# Altium PCB DM2097_R0M0E0.PcbDoc (part 3 of 7) (continued)
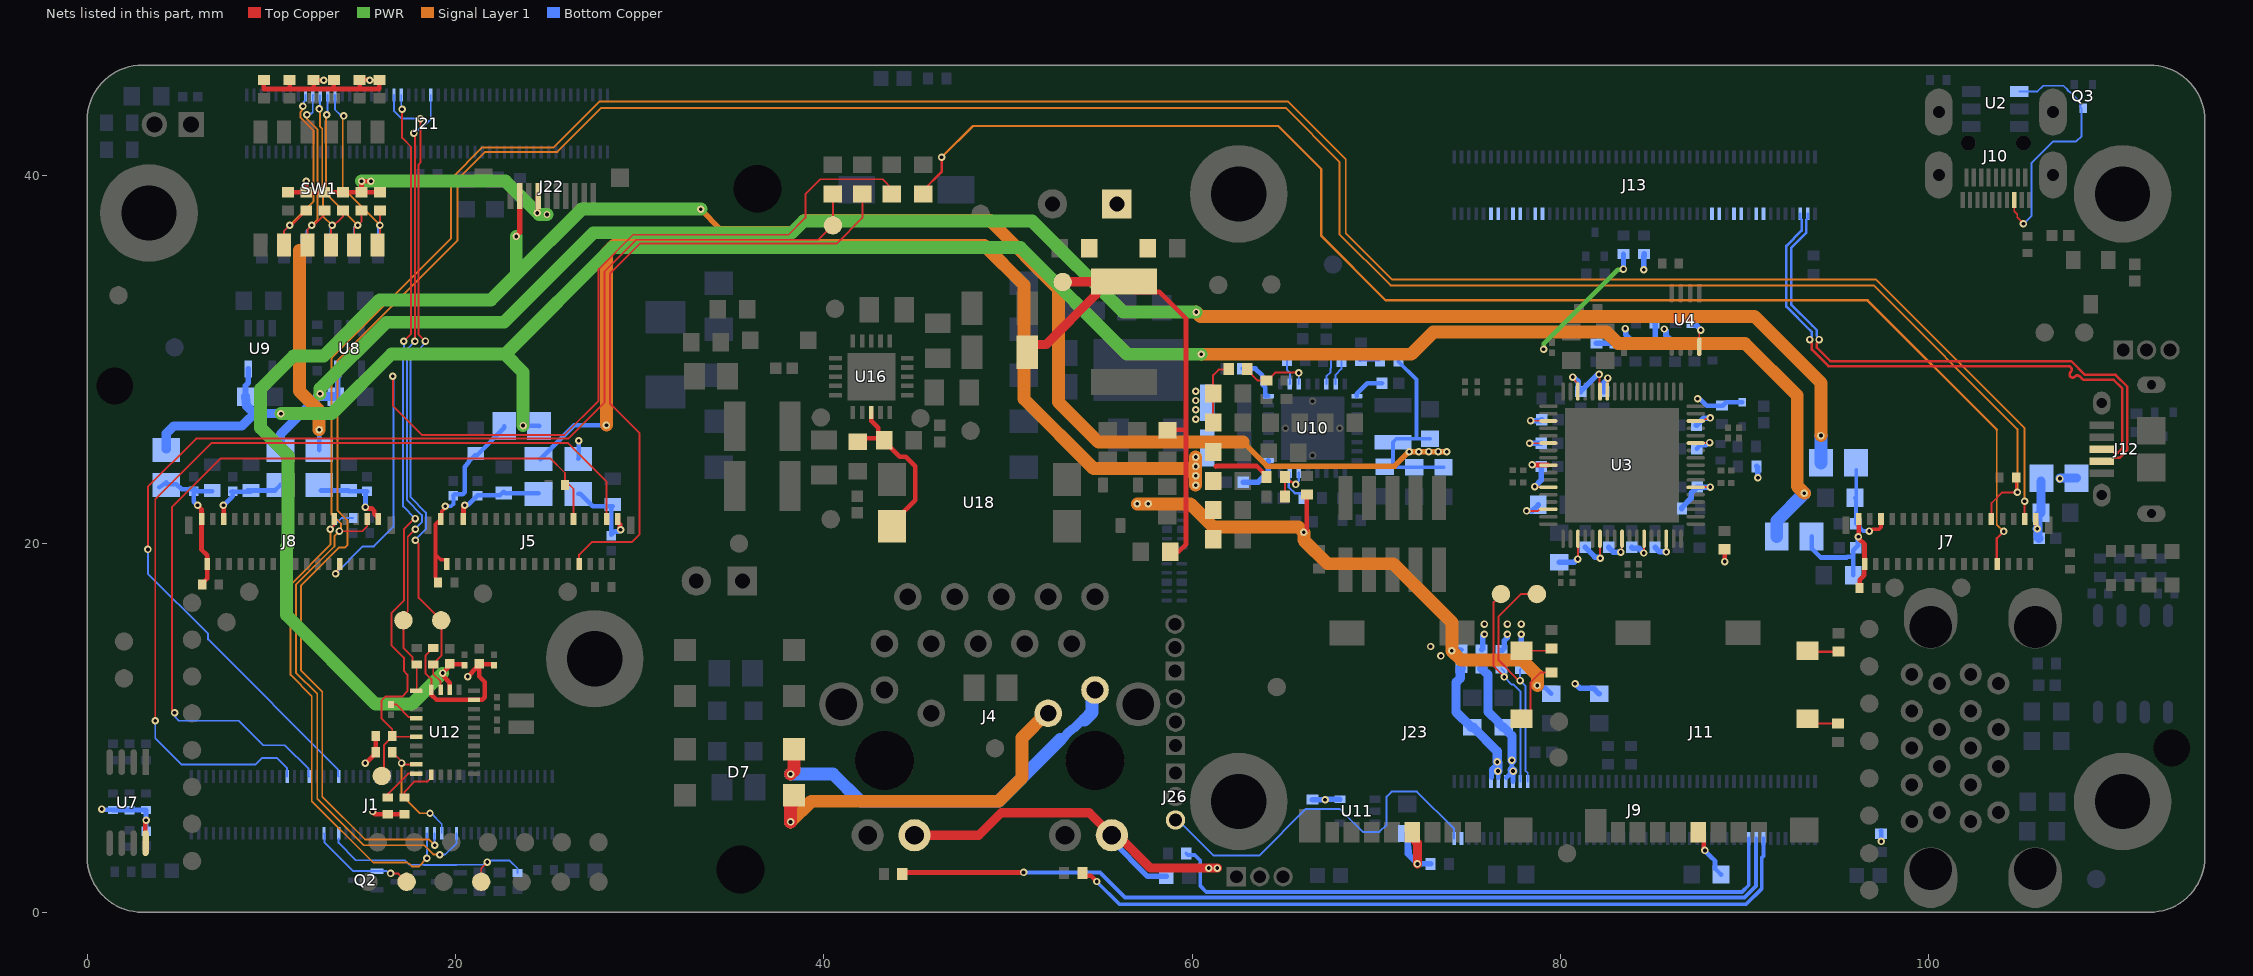
[diagram p7: the nets of this part, all layers, seen from the top]
## Part data (continued)
Y1: "CRYSTAL 32.768kHz ±20ppm Crystal 12.5pF 90 kOhms 2-SMD, No Lead", Case/Package=SMD/SMT, ESR (Equivalent Series Resistance)=90kR, Frequency=32.768kHz, Frequency Tolerance=20ppm, Load Capacitance=12.5pF, Manufacturer 1=Abracon, Max Operating Temperature=85°C, Min Operating Temperature=-40°C, Supplier Part Number 1=535-14513-1-ND, ComponentLink1Description=http://www.farnell.com/datasheets/2614114.pdf?src-supplier=Farnell, ComponentLink1URL=http://www.farnell.com/datasheets/2614114.pdf?src-supplier=Farnell, ComponentLink2Description=https://abracon.com/datasheets/ABS06-127-32.768kHz-T.pdf?src-supplier=Digi-Key, ComponentLink2URL=https://abracon.com/datasheets/ABS06-127-32.768kHz-T.pdf?src-supplier=Digi-Key, ComponentLink3Description=http://www.farnell.com/datasheets/2614114.pdf?src-supplier=Newark, ComponentLink3URL=http://www.farnell.com/datasheets/2614114.pdf?src-supplier=Newark, Manufacturer Part Number 1=ABS06-127-32.768KHZ-T, Mount="Surface Mount", Packaging="Tape and Reel", Pricing 1="1=0.69000, 10=0.60700, 50=0.56760, 100=0.50160, 500=0.47520, 1000=0.39600 (USD)", RoHS=Yes, Stock 1=1640, Supplier 1=Digi-Key, Supplier 2=Digi-Key, Supplier 3=Mouser, Supplier 4=Verical, Supplier Part Number 2=535-14513-6-ND, Supplier Part Number 3=815-ABS0612732.768KT, Supplier Part Number 4=ABS06-127-32.768KHZ-T

## Free pads (board coordinates)
  round 1.524 hole 2.6: 0(35.48,2.33) 0(36.412,39.288)
  round 0 hole 2 unplated: 2(1.504,28.578) 2(113.202,8.923)

## Via types
v1: diameter 0.406, hole 0.203, Top Copper to Bottom Copper, tented both sides, 871 vias
v2: diameter 0.5, hole 0.2, Top Copper to Bottom Copper, 25 vias
v3: diameter 0.508, hole 0.254, Top Copper to Bottom Copper, 24 vias

## Nets (pads, with @x,y where several pads share a name; then routed paths per layer and width w, separated by ;. In a path a pad name is that pad's centre, name@x,y a point inside that pad or via, vN(x,y) a via of type N, cw(c..) or ccw(c..) an arc to the next point about the centre after c; other vN are vias at no path point)
1V2: C39.2 FB8.1 FB9.1 U8.5 | length 100
  PWR w0.7: v1(12.65,28.15) 12.65,28.435 16.253,32.038 22.638,32.038 27.5,36.9 38.275,36.9 38.9,37.525 39.136,37.525 39.14,37.529 39.683,37.529 39.687,37.525 51.324,37.525 56.261,32.589 v1(60.223,32.589)
  Signal Layer 1 w0.7: v1(60.223,32.589) 60.452,32.359 90.541,32.359 94.152,28.748 v1(94.152,25.881)
  Bottom Copper w0.3: C39.2@13.5,28 13.6,28.1 U8.5@13.6,29.5
  Bottom Copper w0.5: FB9.1@10.5,25.1 10.5,25.948 12.508,27.956 12.508,28.008 v1(12.65,28.15) ; v1@12.552,28 C39.2@13.5,28
  Bottom Copper w0.7: FB8.1@94.15,24.4 94.15,25.88 v1(94.152,25.881)
1V2_L: C29.2 C31.2 FB8.2 J7.29 | length 5
  Top Copper w0.2: v1(96.775,20.7) 96.831,20.7 96.931,20.8 97.3,20.8 97.412,20.912 J7.29@97.412,21.366
  Bottom Copper w0.2: FB8.2@96.06,24.03 96.06,22.56 C31.2@96,22.5 96.05,22.45 C29.2@96.05,21.1 96.45,20.7 v1(96.775,20.7)
1V2_R: C36.2 C37.2 FB9.2 J8.29 | length 4.6
  Top Copper w0.254: J8.29@7.412,21.366 v1@7.412,22.088
  Bottom Copper w0.254: v1(7.4,22.1) 7.412,22.1 7.9,22.588 C36.2@7.9,22.833 ; C36.2@7.833,22.833 C36.2@7.9,22.833 ; C36.2@7.9,22.85 C36.2@7.9,22.833 ; C37.2@8.699,22.9 10.2,22.9 FB9.2@10.5,23.2 ; C37.2@8.871,22.833 C36.2@7.9,22.833
1V05: C58.2 C59.2 C60.2 C61.2 C62.2 C63.2 C64.2 C95.1 C96.1 C97.1 C98.1 FB3.1 L5.2 R88.2 U3.3 U3.9 U3.12 U3.29 U3.45 U3.54 U3.60 U3.63 | length 72.2
  Top Copper w0.102: v1(78.384,26.695) 78.394,26.686 79.341,26.686 U3.54@79.351,26.676 ; v1(78.613,23.114) 78.632,23.095 79.332,23.095 U3.63@79.351,23.076 ; v1(80.95,19.177) U3.3@80.95,20.276 ; U3.45@82.551,28.276 82.559,28.285 82.559,28.996 v1(82.568,29.005) ; v1(83.287,19.558) 83.332,19.603 83.332,20.257 U3.9@83.351,20.276 ; v1(84.526,19.507) 84.538,19.519 84.538,20.264 U3.12@84.551,20.276 ; U3.29@87.351,25.476 87.363,25.489 88.092,25.489 v1(88.105,25.501)
  Top Copper w0.254: 61.29,24.206 61.316,24.232 63.506,24.232 64.05,23.687 R88.2@64.05,23.637 ; v1(78.467,24.293) 78.475,24.284 79.342,24.284 U3.60@79.351,24.276
  Signal Layer 1 w0.7: v1(28.2,26.45) 28.2,35.806 28.61,36.216 48.719,36.216 50.875,34.06 50.875,27.875 54.662,24.088 59.808,24.088 v1(60.198,23.698) ; v1(60.198,23.19) v1(60.198,23.698) ; v1(60.198,24.714) v1(60.198,24.206) v1(60.198,23.698)
  Bottom Copper w0.254: FB3.1@24.6,24.607 26.443,26.45 v1(28.2,26.45) ; C64.2@87.401,25.176 87.584,25.359 87.922,25.359 88.064,25.501 v1(88.105,25.501)
  Bottom Copper w0.3: v1(78.384,26.695) 78.932,26.695 C63.2@78.983,26.746 ; v1(78.613,23.114) 78.958,23.459 C61.2@78.958,24.206 ; C58.2@79.934,19.012 80.744,19.012 80.909,19.177 v1(80.95,19.177) ; C59.2@82.352,28.276 82.352,28.739 82.568,28.955 v1(82.568,29.005) ; C60.2@82.626,19.812 82.88,19.558 v1(83.287,19.558) ; C62.2@83.871,19.812 83.924,19.759 84.275,19.759 v1(84.526,19.507)
1V05_IMX378: C12.2 C13.2 FB3.2 J5.29 | length 5.1
  Top Copper w0.254: J5.29@20.412,21.366 20.435,21.389 20.435,21.994 20.5,22.059 v1(20.5,22.1)
  Bottom Copper w0.254: v1(20.5,22.1) 20.529,22.129 20.689,22.129 21.2,22.64 22.42,22.64 22.62,22.84 22.7,22.76 FB3.2@24.51,22.76
1V8: C100.1 C101.1 C105.2 C106.2 C120.2 FB2.1 FB6.1 FB7.1 J22.7 L6.2 R9.2 R22.2 R27.2 R34.2 R58.2 R63.1 R69.2 R70.2 R71.2 R72.2 R73.2 R80.2 R82.2 R84.1 R90.2 R96.1 R113.1 R114.1 R115.1 R116.1 R117.1 R118.1 R128.2 R129.2 R130.2 U7.8 U12.5 U12.28 | length 101.2
  Top Copper w0.102: U12.5@18.695,12.091 18.695,12.662 18.371,12.986 18.371,13.922 R34.2@18.799,14.35 ; C100.1@61.145,26.594 C101.1@61.145,28.169 61.145,29.167 61.443,29.464 61.97,29.464 R90.2@61.995,29.489
  Top Copper w0.25: U7.8@3.175,3.75 3.167,3.758 3.167,4.925 3.2,4.958 v1(3.2,5) ; R58.2@9.596,45.2 9.596,44.702 12.3,44.702 ; R118.1@10.9,39.1 R113.1@11.9,39.1 ; 11,44.702 R69.2@11,45.2 ; v1(11.9,39.7) R113.1@11.9,39.1 ; R70.2@12.3,45.2 12.3,44.702 ; R70.2@12.363,45.187 12.838,45.187 v1(12.85,45.175) ; 13.4,44.702 R71.2@13.4,45.2 ; 14.8,44.702 R72.2@14.8,45.2 15.325,45.2 v1(15.35,45.175) ; v1(15.1,8.1) 15.13,8.1 15.67,8.64 R82.2@15.67,8.69 R80.2@15.67,9.57 ; v1(15.41,39.7) v1(14.9,39.7) R115.1@14.9,39.1 ; v1(15.5,5.47) 15.5,5.45 15.625,5.325 R84.1@16.325,5.325 R96.1@17.225,5.325 ; R73.2@15.87,45.2 15.87,44.702 12.3,44.702 ; R117.1@15.9,39.1 R115.1@14.9,39.1 ; U12.5@18.695,11.803 18.97,11.528 U12.28@21.008,11.528 21.454,11.528 21.6,11.675 21.6,12.5 21.3,12.8 C105.2@21.3,13.5 ; U12.5@18.695,12.028 U12.5@18.695,12.091 ; v1(20.666,12.795) 21.165,13.294 21.165,13.365 C105.2@21.3,13.5 ; C106.2@22.1,13.425 22.065,13.46 21.34,13.46 C105.2@21.3,13.5 ; R113.1@11.9,39.1 R116.1@12.9,39.1 R114.1@13.9,39.1 R115.1@14.9,39.1
  Top Copper w0.255: v1(24.45,37.975) 24.469,37.994 24.469,38.876 J22.7@24.489,38.896 ; v1(66.073,20.628) 66.226,20.781 66.226,22.676 R22.2@66.231,22.682
  PWR w0.255: v1(79.089,30.576) 79.104,30.591 79.104,30.879 83.121,34.896 83.396,34.896 v1(83.425,34.925)
  PWR w0.7: v1(14.9,39.7) v1(15.41,39.7) 22.725,39.7 24.537,37.888 v1(24.972,37.888)
  Signal Layer 1 w0.7: 11.525,35.947 11.525,28.301 12.6,27.226 v1(12.6,26.2) ; v1(57.025,22.175) v1(57.625,22.175) 59.9,22.175 61.15,20.925 65.776,20.925 v1(66.073,20.628) 66.073,20.202 67.35,18.925 70.925,18.925 74.108,15.742 v1(74.108,14.192) 74.6,13.7 77.925,13.7 78.751,12.874 v1(78.751,12.312)
  Bottom Copper w0.25: v1(0.8,5.6) 0.825,5.575 1.375,5.575 R130.2@1.4,5.55 R129.2@2.285,5.55 ; R129.2@2.299,5.55 R128.2@3.2,5.55 v1(3.2,5) 3.198,4.998 3.198,4.684 ; FB2.1@26.675,24.617 26.7,24.642 v1(26.7,25.6)
  Bottom Copper w0.254: FB7.1@12.6,25.1 v1(12.6,26.2) ; v1(74.108,14.192) 74.108,14.282 74.532,14.282 74.592,14.222 R63.1@74.63,14.26 ; v1(78.751,12.312) 78.792,12.312 78.919,12.185 79.176,12.185 R9.2@79.499,11.862
  Bottom Copper w0.255: v1(83.425,34.925) 83.432,34.932 R27.2@83.432,35.75
  Bottom Copper w0.38: v1(78.751,12.312) v1@78.756,12.307
  Bottom Copper w0.5: v1(107.127,23.552) 107.15,23.575 FB6.1@108.025,23.575
  other v1: 60.198,26.772 60.198,27.28 60.198,27.788 60.198,28.296
1V8_IMX378: C14.2 C15.2 FB2.2 J5.1 | length 5
  Top Copper w0.254: J5.1@28.812,21.366 28.835,21.343 28.835,21.168 28.937,21.066 28.937,20.803 v1(28.966,20.774)
  Bottom Copper w0.254: FB2.2@26.675,22.717 26.775,22.717 27.452,22.04 28.54,22.04 28.47,21.97 28.47,20.49 28.653,20.673 28.866,20.673 v1(28.966,20.774)
1V8_L: C32.2 C33.2 FB6.2 J7.1 | length 3.8
  Top Copper w0.2: J7.1@105.812,21.366 105.861,21.317 105.861,20.864 v1(105.9,20.825)
  Bottom Copper w0.5: C32.2@106,20.3 105.94,20.36 105.94,20.785 v1(105.9,20.825) 105.932,20.857 105.932,21.532 C33.2@106.1,21.7 FB6.2@106.1,23.402
1V8_R: C38.2 C40.2 FB7.2 J8.1 | length 4.4
  Top Copper w0.254: v1(15.114,22) 15.107,21.993 15.181,21.919 15.457,21.919 15.476,21.9 15.5,21.9 15.5,21.876 15.591,21.785 15.591,21.633 15.835,21.389 J8.1@15.812,21.366
  Bottom Copper w0.254: FB7.2@12.7,22.9 C40.2@14.2,22.9 ; C40.2@14.2,22.867 C38.2@15.114,22.867 ; v1(15.114,22) 15.114,22.764 C38.2@15.2,22.85
2V8: C42.2 FB1.1 FB4.1 FB5.1 U9.5 | length 114.2
  PWR w0.7: v1(10.525,27.075) 13.28,27.075 16.523,30.318 22.718,30.318 ; v1(23.675,26.425) 23.675,29.325 22.7,30.3 28.498,36.098 50.679,36.098 56.477,30.3 v1(60.5,30.3)
  Signal Layer 1 w0.7: v1(60.5,30.3) 71.9,30.3 73.1,31.5 82.525,31.5 83.139,30.886 90.034,30.886 92.866,28.054 92.866,23.134 v1(93.25,22.75)
  Bottom Copper w0.254: v1(23.675,26.425) 24.525,26.425 FB1.1@24.55,26.4
  Bottom Copper w0.3: C42.2@8.6,28 8.6,28.6 8.75,28.75 U9.5@8.75,29.5
  Bottom Copper w0.5: FB5.1@4.3,25.15 4.3,26 4.7,26.4 8.4,26.4 8.6,26.6 9.075,27.075 ; C42.2@8.6,28 8.659,27.491 9.075,27.075 ; v1(10.525,27.075) 9.075,27.075
  Bottom Copper w0.7: FB4.1@91.75,20.4 91.75,21.25 v1(93.25,22.75)
2V8_IMX378: C16.2 C17.2 FB1.2 J5.32 J5.33 R28.1 | length 11.5
  Top Copper w0.203: R28.1@19.05,17.9 18.927,18.023 18.927,18.181 18.915,18.192 18.915,19.44 ; v1(19.45,22.05) 19.411,22.011 19.411,21.925 19.261,21.775 19.261,21.414 18.915,21.069 18.915,19.44 ; J5.32@19.52,18.916 19.52,19.091 19.471,19.139 19.216,19.139 19.191,19.164 19.175,19.164 18.936,19.402 18.936,19.419 18.915,19.44
  Bottom Copper w0.203: v1(19.45,22.05) 19.771,22.05 19.89,22.169 C16.2@19.89,22.62
  Bottom Copper w0.25: C16.2@19.89,22.62 19.971,22.701 20.401,22.701 20.5,22.8 20.5,24.2 20.725,24.425 20.725,24.475 21.05,24.8 21.15,24.8 22.65,26.3 FB1.2@22.65,26.4
2V8_L: C34.2 C35.2 FB4.2 J7.32 J7.33 R33.2 | length 9.2
  Top Copper w0.254: v1(96.19,20.39) 96.212,20.412 J7.33@96.212,21.366 ; v1@96.212,20.288 96.52,19.98 J7.32@96.52,18.916 96.5,18.896 96.5,18.3 96.25,18.05 R33.2@96.25,17.6
  Bottom Copper w0.254: FB4.2@93.65,20.4 93.65,19.75 94.139,19.261 95.555,19.261 95.595,19.302 95.9,19.302 ; C35.2@95.9,18.3 95.9,19.302 ; v1(96.19,20.39) 96.161,20.361 96.161,19.911 95.9,19.65 95.9,19.302
2V8_R: C44.2 C50.2 FB5.2 J8.32 J8.33 R35.2 | length 8.7
  Top Copper w0.25: v1(6,22.1) 6.212,21.888 6.212,19.688 6.52,19.38 J8.32@6.52,18.916 6.52,18.12 6.25,17.85 R35.2@6.25,17.8
  Bottom Copper w0.25: FB5.2@3.926,23.072 4.3,23.35 4.3,23.25 4.85,23.25 5.139,22.961 5.861,22.961 C44.2@6,22.823 ; C44.2@5.8,22.85 5.8,22.3 v1(6,22.1) ; C44.2@5.956,22.867 C50.2@6.8,22.867
3V3: C9.2 C20.2 C23.2 C27.2 C28.2 C30.2 C55.2 C56.2 C57.2 C83.1 C84.1 C85.1 C86.1 C87.2 C110.2 C119.2 D3.1 D17.2 J4.15 J4.17 J11.4 J22.9 J23.4 L2.2 R6.2 R7.2 R16.2 R19.2 R20.2 R24.2 R26.2 R38.2 R41.1 R46.1 R48.2 R49.2 R56.2 R57.2 R66.1 R67.2 R87.2 R97.2 R100.2 R101.2 R112.2 U3.6 U3.15 U3.23 U3.32 U3.46 U3.49 U3.57 U3.66 U4.8 U11.5 U12.3 | length 191.2
  Top Copper w0.102: v1(78.168,21.789) 78.794,21.789 78.862,21.857 79.332,21.857 U3.66@79.351,21.876 ; v1(78.328,25.467) 79.342,25.467 U3.57@79.351,25.476 ; v1(80.676,29.061) 80.676,28.992 80.819,28.849 80.819,28.834 80.951,28.703 U3.49@80.951,28.276 ; v1(82.101,29.204) 82.132,29.173 82.132,28.295 U3.46@82.151,28.276 ; U3.6@82.151,20.276 82.16,20.267 82.16,19.237 v1(82.169,19.228) ; U3.15@85.751,20.276 85.751,19.571 v1(85.757,19.564) ; U3.23@87.351,23.076 87.356,23.081 88.136,23.081 v1(88.141,23.087) ; U3.32@87.351,26.676 87.777,26.676 87.886,26.785 88.088,26.785 v1(88.146,26.844) ; U4.8@87.542,30.706 87.542,31.443 87.63,31.531 v1(87.63,31.613)
  Top Copper w0.25: v1@19.314,12.975 v1(19.314,12.989) ; U12.3@19.695,12.091 19.695,12.459 19.7,12.464 ; 19.695,12.464 19.3,12.859 19.3,12.975 19.7,13.375 C28.2@19.7,13.5 19.74,13.46 20.465,13.46 20.5,13.425 C30.2@20.5,13.42 ; J11.4@87.488,4.348 87.788,4.048 87.788,3.459 87.85,3.396 v1(87.85,3.354) ; R112.2@88.92,19.71 88.925,19.705 88.925,19.045 v1(88.93,19.04)
  Top Copper w0.3: v1(23.3,36.7) 23.3,36.729 23.489,36.917 J22.9@23.489,38.896
  Top Copper w0.5: J4.17@44.925,4.179 48.422,4.179 49.648,5.405 54.419,5.405 J4.15@55.773,4.052 ; J4.15@55.645,4.179 55.96,4.179 57.738,2.4 v1(61.375,2.4) ; J23.4@71.959,4.347 72.134,4.172 72.134,3.86 72.24,3.754 v1(72.24,2.625)
  PWR w0.7: v1@19.3,12.975 17.625,11.3 15.661,11.3 10.825,16.136 10.825,19.837 10.911,19.922 10.911,24.806 9.414,26.303 9.414,28.417 11.207,30.211 12.852,30.211 15.893,33.252 21.927,33.252 23.3,34.625 ; v1(23.3,36.7) 23.3,34.625 ; v1(33.325,38.18) 26.855,38.18 23.3,34.625
  Signal Layer 1 w0.3: v1(33.325,38.18) 33.325,38.151 34.367,37.109 38.534,37.109 38.982,37.557 ; 62.764,25.525 64.064,24.225 71.005,24.225 v1(71.79,25.01) v1(72.317,25.01) v1@73.837,25.01
  Signal Layer 1 w0.7: 38.982,37.557 49.024,37.557 52.75,33.831 52.75,27.7 54.925,25.525 62.764,25.525
  Bottom Copper w0.2: R67.2@71.214,29.947 71.214,29.897 72.184,28.926 72.184,25.705 ; C85.1@72.923,25.705 72.184,25.705 ; C84.1@73.655,24.158 71.054,24.158 70.908,24.305 L2.2@70.908,25.524 71.088,25.705 72.184,25.705
  Bottom Copper w0.25: v1(87.45,27.881) 87.48,27.851 87.602,27.851 87.943,27.51 R41.1@88.77,27.51 88.82,27.51 89,27.69 D3.1@89.87,27.69 ; v1@87.825,3.379 88.4,2.804 88.4,2.375 C119.2@88.725,2.05 ; v1(87.85,3.354) 87.85,3.334 88.249,2.935 ; R100.2@97.411,4.417 97.425,4.402 v1(97.425,3.846)
  Bottom Copper w0.3: J4.15@55.733,4.267 J4.15@55.645,4.179 55.645,3.89 57.59,1.945 D17.2@58.594,1.945 ; R101.2@66.542,6.112 66.545,6.109 67.222,6.109 v1(67.226,6.105) ; v1@67.219,6.124 68.018,6.124 U11.5@68.03,6.135 ; v1(72.24,2.625) v1@72.234,2.631 ; R16.2@72.95,2.62 72.939,2.631 v1@72.234,2.631 ; R66.1@75.72,14.25 75.78,14.31 75.78,14.976 75.875,15.071 v1(75.875,15.1) ; R57.2@76.795,14.235 76.833,14.235 76.958,14.36 76.958,14.755 77.105,14.901 77.105,15.03 v1@77.125,15.05 ; R56.2@77.86,14.22 77.875,14.235 v1(77.875,15.1) ; v1(78.168,21.789) 78.469,21.789 C9.2@78.804,22.123 ; v1(78.328,25.467) 78.949,25.467 C56.2@78.958,25.476 ; v1(80.676,29.061) 80.696,29.041 80.74,29.041 80.974,28.808 80.974,28.401 C23.2@81.099,28.276 82.027,29.204 v1(82.101,29.204) ; v1(80.798,12.403) 80.827,12.403 81.069,12.162 81.809,12.162 R7.2@82.109,11.862 ; C57.2@81.356,19.812 81.882,19.286 82.111,19.286 v1(82.169,19.228) ; R24.2@81.951,30.89 81.957,30.896 R20.2@83.007,30.896 R97.2@84.024,30.896 ; R7.2@82.109,11.869 R7.2@82.11,11.87 ; v1(83.528,31.694) 83.548,31.674 83.548,31.372 R97.2@84.024,30.896 ; v1(84.533,34.893) 84.542,34.902 84.542,35.625 84.55,35.633 R26.2@84.55,35.75 ; R48.2@85.107,32.029 85.166,31.971 R19.2@85.166,30.896 ; C27.2@85.141,19.819 85.396,19.564 v1(85.757,19.564) ; v1(85.648,31.671) 85.671,31.671 85.675,31.675 85.697,31.653 85.697,31.615 85.737,31.575 85.737,31.336 85.75,31.323 85.75,31.312 85.895,31.167 85.911,31.167 R87.2@86.182,30.896 ; R87.2@86.236,30.892 86.186,30.892 R87.2@86.182,30.896 ; R46.1@86.597,21.92 86.597,21.97 87.107,22.48 87.107,22.753 87.282,22.929 87.285,22.929 C55.2@87.445,23.089 88.139,23.089 v1(88.141,23.087) ; C110.2@87.158,32.029 87.318,31.869 87.401,31.869 87.63,31.64 v1(87.63,31.613) ; C20.2@87.394,26.441 87.776,26.823 88.126,26.823 v1(88.146,26.844) ; R49.2@88.264,30.858 87.312,30.858 R6.2@87.274,30.896 R87.2@86.182,30.896 ; R38.2@90.653,24.206 90.708,24.151 90.708,23.608 v1(90.729,23.588) ; v1@72.234,2.631 71.899,2.966 71.824,3.041 71.724,3.959 71.724,3.975 C87.2@71.69,4.275 71.69,3.175 v1@72.234,2.631 ; R97.2@84.024,30.896 R97.2@84.074,30.896 R19.2@85.166,30.896 ; R19.2@85.166,30.896 R87.2@86.182,30.896
  other v1: 60.901,2.4 73.514,13.916 72.954,14.43 77.125,15.1 75.875,15.65 77.125,15.65 77.875,15.65 72.859,25.014 73.37,25.014 73.837,25.012
5V_PoE: C26.2 C47.1 C49.2 L1.2 R14.2 R40.2 R62.1 TP23.1 | length 27.8
  Top Copper w0.254: L1.2@56.305,34.255 56.878,33.682 58.221,33.682 59.674,32.229 59.674,26.204 ; R14.2@58.665,26.176 58.693,26.204 59.674,26.204 ; R40.2@58.814,19.583 59.264,19.583 59.674,19.993 59.674,26.204
  Top Copper w0.5: C26.2@51.047,30.408 51.047,30.508 51.372,30.833 52.08,30.833 54.775,33.529 54.775,33.805 55.225,34.255 55.502,34.255 L1.2@56.305,34.255 ; TP23.1@52.978,34.218 52.997,34.236 L1.2@55.225,34.236
2485_PGOOD: J1.37 Q2.1 TP50.1 | length 5.9
  Top Copper w0.102: v1(16.475,2.105) 16.48,2.1 16.9,2.1 TP50.1@17.35,1.65
  Bottom Copper w0.102: J1.37@12.86,4.288 12.899,4.249 12.899,3.776 14.442,2.233 16.264,2.233 16.392,2.105 v1(16.475,2.105)
2485_WAKEUP: J1.41 R50.2 TP51.1 | length 12.2
  Top Copper w0.102: TP51.1@21.4,1.65 21.4,2.4 v1(21.725,2.725)
  Bottom Copper w0.102: J1.41@13.66,4.005 13.66,3.765 14.6,2.825 17.257,2.825 17.504,2.577 18.295,2.577 18.303,2.569 20.064,2.569 20.072,2.577 21.513,2.577 21.661,2.725 v1(21.725,2.725) 21.783,2.783 21.92,2.783 21.937,2.8 22.95,2.8 23.375,2.375 R50.2@23.375,2.125
BNO08x_BOOTN_1V8: J21.42 R34.1 TP4.1 U12.4 | length 35.6
  Top Copper w0.102: v1(17.828,20.2) 17.8,20.2 18.003,19.997 18.003,17.072 TP4.1@19.225,15.85 19.25,15.825 19.25,13.951 18.749,13.45 R34.1@18.799,13.45 18.799,12.927 19.195,12.53 U12.4@19.195,12.091 ; v1(18.1,43.1) 18.1,40.697 18.003,40.6 18.003,31.369 18.358,31.015 v1(18.374,31.015)
  Bottom Copper w0.102: J21.42@16.66,44.368 16.66,43.53 17.09,43.1 v1(18.1,43.1) ; v1(17.828,20.2) 17.828,20.228 18.4,20.8 18.4,21.7 17.568,22.532 17.568,30.122 18.267,30.822 18.267,30.825 18.374,30.932 v1(18.374,31.015)
BNO08x_INT_1V8: J1.69 R82.1 U12.14 | length 6.7
  Top Copper w0.102: R82.1@16.57,8.69 17.075,8.185 v1(17.075,8.1) 17.147,8.028 U12.14@17.883,8.028
  Signal Layer 1 w0.102: v1(17.075,8.1) 17.075,6.35 18.05,5.375 v1(18.619,5.375)
  Bottom Copper w0.102: v1(18.619,5.375) 18.675,5.375 19.26,4.79 J1.69@19.26,4.288
BNO08x_RSTn_1V8: J21.44 R80.1 TP48.1 U12.11 | length 41.5
  Top Copper w0.102: TP48.1@16,7.4 16.12,7.52 16.12,9.07 16.57,9.52 R80.1@16.57,9.57 ; v1(17.1,43.6) 17.1,42.05 17.597,41.553 17.597,31.4 17.2,31.003 v1(17.2,31) ; v1(17.825,21.375) 17.775,21.375 17.2,20.8 17.2,16.925 16.523,16.248 16.523,14.502 17.2,13.825 17.2,13.1 17.393,12.907 17.393,12 17.1,11.707 16.193,11.707 15.978,11.492 15.978,10.522 16.57,9.93 R80.1@16.57,9.57 ; U12.11@17.883,9.528 16.612,9.528 R80.1@16.57,9.57
  Bottom Copper w0.102: J21.44@17.06,44.368 17.06,43.64 v1(17.1,43.6) ; v1(17.2,31) 17.2,30.33 17.161,30.291 17.161,22.039 v1(17.825,21.375)
BNO08x_WAKE_1V8: J21.52 R36.1 TP58.1 U12.6 | length 34.1
  Top Copper w0.102: v1(17.744,42.3) 17.8,42.244 17.8,31 v1(17.799,30.999) ; v1(17.828,20.8) 17.414,20.386 17.414,16.332 17.175,16.093 17.175,14.359 17.676,13.858 17.676,13.624 17.85,13.45 R36.1@17.9,13.45 17.9,12.046 U12.6@17.883,12.028
  Bottom Copper w0.102: v1(17.744,42.3) 17.8,42.3 18.1,42.6 18.2,42.6 18.66,43.06 J21.52@18.66,44.368 ; v1(17.799,30.999) 17.403,30.603 17.403,30.246 17.364,30.206 17.364,22.386 18.184,21.566 18.184,21.184 17.828,20.828 v1(17.828,20.8)
BOOT0: J21.26 R86.1 R117.2 SW1.6 | length 11
  Top Copper w0.102: SW1.6@15.775,36.225 15.9,36.35 v1(15.9,37.3) R117.2@15.9,38.1
  Signal Layer 1 w0.102: v1(13.938,43.241) 13.884,43.187 13.884,39.341 15.9,37.325 v1(15.9,37.3)
  Bottom Copper w0.102: J21.26@13.46,44.368 13.46,43.577 13.738,43.299 13.88,43.299 v1(13.938,43.241) ; R86.1@15.802,36.5 15.802,37.202 v1(15.9,37.3)
BOOT1: J21.24 R85.1 R115.2 SW1.5 | length 10.9
  Top Copper w0.102: SW1.5@14.505,36.225 14.505,37.205 14.6,37.3 v1(14.7,37.3) 14.9,37.5 R115.2@14.9,38.1
  Signal Layer 1 w0.102: v1(13.009,43.305) 12.975,43.271 12.975,39.025 v1(14.7,37.3)
  Bottom Copper w0.102: v1(13.009,43.305) 13.06,43.356 J21.24@13.06,44.368 ; R85.1@14.5,36.5 14.5,37.2 14.6,37.3 v1(14.7,37.3)
BOOT2: J21.22 R79.1 R114.2 SW1.4 | length 10.4
  Top Copper w0.102: SW1.4@13.235,36.225 13.235,37.135 13.9,37.8 R114.2@13.9,38.1
  Signal Layer 1 w0.102: v1(12.611,43.62) 12.649,43.582 12.649,42.663 12.771,42.541 12.771,38.941 12.8,38.912 12.8,37.8 v1(13.3,37.3)
  Bottom Copper w0.102: v1(12.611,43.62) 12.647,43.656 12.647,44.352 J21.22@12.66,44.365 ; R79.1@13.2,36.5 13.2,37.2 v1(13.3,37.3)
BOOT3: J21.20 R78.1 R116.2 SW1.3 | length 10.7
  Top Copper w0.102: SW1.3@11.965,36.225 11.965,37.065 v1(12.2,37.3) 12.3,37.3 R116.2@12.9,37.9
  Signal Layer 1 w0.102: v1(11.936,43.305) 11.935,43.303 11.935,43.09 12.504,42.521 12.504,37.604 v1(12.2,37.3)
  Bottom Copper w0.102: R78.1@11.9,36.5 11.9,37 v1(12.2,37.3) ; v1(11.936,43.305) 11.994,43.363 12.163,43.363 12.252,43.452 12.252,44.36 J21.20@12.26,44.368
BOOT4: J21.18 R77.1 R113.2 SW1.2 | length 11.4
  Top Copper w0.102: SW1.2@10.695,36.225 10.695,36.995 v1(11,37.3) 11.1,37.3 R113.2@11.9,38.1
  Signal Layer 1 w0.102: v1(11,37.3) 12.3,38.6 12.3,42.436 11.579,43.157 11.579,43.452 11.659,43.532 11.659,43.705 v1(11.717,43.763)
  Bottom Copper w0.102: R77.1@10.7,36.5 10.7,37 v1(11,37.3) ; v1(11.717,43.763) 11.77,43.816 11.77,44.018 11.86,44.108 J21.18@11.86,44.368
BST1: C45.1 U10.25 | length 1.7
  Bottom Copper w0.254: U10.25@68.947,28.029 68.947,28.154 69.52,28.727 C45.1@70.314,28.727
BST2: C93.1 U10.9 | length 2.2
  Bottom Copper w0.3: C93.1@62.773,23.35 63.583,23.35 64.147,23.913 U10.9@64.147,24.529
BST3: C99.1 U10.16 | length 2.6
  Bottom Copper w0.254: C99.1@62.747,29.522 63.442,29.522 63.805,29.159 63.805,28.68 63.974,28.511 63.974,28.031 63.976,28.029 U10.16@64.147,28.029
C_GPIO/MWAKE: J9.97
CAM1_CLK_N: J13.27
CAM1_CLK_P: J13.29
CAM1_D0_N: J13.15
CAM1_D0_P: J13.17
CAM1_D1_N: J13.21
CAM1_D1_P: J13.23
CAM_A_CLK: J1.28 J5.3 | length 50.2
  Top Copper w0.102: v1(3.7,10.4) 3.7,22.425 6.753,25.478 26.122,25.478 28.212,23.388 J5.3@28.212,21.366
  Bottom Copper w0.102: v1(3.7,10.4) 3.7,9.447 5.122,8.025 5.85,8.025 8.75,8.025 9.15,8.025 9.509,8.384 10.29,8.384 10.86,7.815 J1.28@10.86,7.368
CAM_A_PWDN_N: J1.34 J5.9 R120.1 | length 45.9
  Top Copper w0.102: v1(4.751,10.828) 4.751,10.836 4.6,10.987 4.6,21.99 7.256,24.646 25.156,24.646 25.95,23.852 R120.1@25.95,23.2 26.2,23.2 26.412,22.988 J5.9@26.412,21.366
  Bottom Copper w0.102: v1(4.751,10.828) 4.799,10.78 4.799,10.576 4.975,10.4 8.225,10.4 9.556,9.069 10.744,9.069 12.026,7.787 12.026,7.402 J1.34@12.06,7.368
CAM_B_CLK: J1.73 J7.3 J8.3 | length 151.5
  Top Copper w0.102: v1(13.7,20.7) 13.709,20.691 14.944,20.691 15.212,20.959 J8.3@15.212,21.366 ; v1(105.207,22.313) 105.207,21.386 105.199,21.379 J7.3@105.212,21.366
  Signal Layer 1 w0.102: v1(19.15,3.125) 18.825,3.125 18.311,3.639 15.014,3.639 13.61,5.042 12.495,6.157 12.495,11.857 11.341,13.011 11.341,17.77 13.433,19.862 13.433,20.033 13.428,20.039 13.428,20.416 13.7,20.688 13.7,20.782 13.79,20.872 13.79,21.085 13.272,21.603 13.272,30.101 19.764,36.594 19.764,39.831 21.466,41.533 25.333,41.533 27.82,44.02 65.225,44.02 68.347,40.898 68.347,36.867 70.865,34.349 97.151,34.349 105.207,26.293 v1(105.207,22.313)
  Bottom Copper w0.102: v1(19.15,3.125) 19.16,3.135 19.439,3.135 20.06,3.756 J1.73@20.06,4.288
CAM_B_D_PWM: J1.65 J8.9 R124.2 | length 27.6
  Top Copper w0.102: v1(13.2,20.8) 13.412,21.012 J8.9@13.412,21.366
  Signal Layer 1 w0.102: v1(13.2,20.8) 13.214,20.786 13.214,19.954 11.046,17.786 11.046,12.889 12.2,11.735 12.2,6.035 15.535,2.7 17.397,2.7 17.478,2.62 17.505,2.62 17.643,2.482 18.007,2.482 v1(18.45,2.925)
  Bottom Copper w0.102: v1(13.2,20.8) 13.8,21.4 R124.2@14.45,21.4 ; v1(18.45,2.925) 18.46,2.935 J1.65@18.46,4.288
CAM_B_PWDN_N: J1.67 J7.9 R122.1 | length 148.6
  Top Copper w0.102: J7.9@103.412,21.366 103.412,22.212 104.001,22.801 v1(104.821,22.801) 104.75,22.871 R122.1@104.75,23.6
  Signal Layer 1 w0.102: v1(18.872,3.632) 18.553,3.95 15.09,3.95 12.769,6.271 12.769,11.971 11.615,13.125 11.615,17.749 13.681,19.814 14.014,19.814 14.145,19.945 14.145,20.036 14.146,20.33 14.145,21.255 13.6,21.8 13.6,29.965 20.105,36.47 20.105,39.773 21.616,41.283 25.533,41.283 27.923,43.673 65.081,43.673 68,40.754 68,36.817 70.781,34.037 97.022,34.037 104.821,26.238 v1(104.821,22.801)
  Bottom Copper w0.102: J1.67@18.86,4.288 18.86,3.643 v1(18.872,3.632)
CAP: C107.1 U12.9 | length 1.7
  Top Copper w0.102: C107.1@16.501,11.272 16.804,11.272 17.478,10.598 17.813,10.598 U12.9@17.883,10.528
CD1_SCL: J9.80 R56.1 TP42.1 | length 12.9
  Top Copper w0.102: v1(77.813,12.579) 77.746,12.579 76.65,13.675 76.65,16.075 77.85,17.275 TP42.1@78.725,17.275
  Bottom Copper w0.102: v1(77.813,12.579) 77.813,13.173 R56.1@77.86,13.22 ; v1@77.847,12.545 78.102,12.291 78.102,7.694 78.231,7.565 J9.80@78.231,7.089
CD1_SDA: J9.82 R57.1 TP43.1 | length 11.5
  Top Copper w0.102: TP43.1@76.775,17.275 76.775,17.237 76.375,16.837 76.375,13.359 v1(76.955,12.779)
  Bottom Copper w0.102: R57.1@76.795,13.235 76.955,13.075 v1(76.955,12.779) 77.374,12.36 77.472,12.36 77.833,11.999 77.833,7.09 J9.82@77.831,7.089
CD2_SW1: J11.9 R126.1 | length 1.8
  Top Copper w0.102: J11.9@93.423,10.498 93.67,10.25 R126.1@95.075,10.25
CD2_SW2: J11.10 R127.2 | length 1.7
  Top Copper w0.127: J11.10@93.423,14.198 93.47,14.15 R127.2@95.1,14.15
CD_SW1: J23.9 R52.1 | length 3.9
  Top Copper w0.102: J23.9@77.953,10.439 77.953,10.512 J23.9@77.941,10.512 ; R52.1@79.525,13.025 78.925,13.025 78.375,12.475 78.375,10.946 J23.9@77.941,10.512 ; R52.1@79.564,13.064 79.68,12.948 R52.1@79.68,12.898 ; J23.9@77.941,10.512 77.91,10.512 J23.9@77.894,10.497 77.926,10.497 J23.9@77.941,10.512
CD_SW2: J23.10 R53.2 | length 1.7
  Top Copper w0.102: J23.10@77.894,14.197 R53.2@79.605,14.197
CEC: J10.15 Q3.3 U2.1@104.919,44.567 | length 14
  Top Copper w0.102: J10.15@104.651,38.674 104.651,38.056 104.809,37.898 104.809,37.743 105.146,37.406 v1(105.146,37.383)
  Bottom Copper w0.102: U2.1@104.919,44.567 105.905,44.567 106.214,44.877 107.323,44.877 107.548,44.652 107.548,44.632 107.637,44.543 107.657,44.543 108.251,43.949 108.251,43.689 108.305,43.635 108.305,42.15 108.009,41.854 106.764,41.854 105.581,40.671 105.581,37.804 105.16,37.383 v1(105.146,37.383)
CM_1V8: C89.1 J9.88 J9.90 R63.2 | length 7.7
  Bottom Copper w0.254: J9.90@76.258,7.312 76.258,7.772 76.381,7.895 ; v1(76.608,7.668) 76.631,7.646 J9.88@76.631,7.312
  Bottom Copper w0.508: R63.2@74.63,13.26 74.58,13.26 74.559,13.239 74.559,12.704 74.335,12.48 74.335,10.875 75.17,10.04 75.27,10.04 76.576,8.734 v1(76.576,8.159) 76.608,8.127 v1(76.608,7.668)
CM_3V3: C91.1 J9.84 J9.86 R66.2 | length 7.5
  Bottom Copper w0.254: J9.86@77.058,7.312 77.37,7.623 77.37,7.729 v1(77.37,8.246) ; J9.84@77.431,7.089 v1(77.43,7.668)
  Bottom Copper w0.5: R66.2@75.72,13.25 75.77,13.25 75.795,13.225 75.795,13.175 76.073,12.897 76.073,10.884 76.675,10.283 76.675,10.24 76.875,10.04 76.918,10.04 77.37,9.588 v1(77.37,8.246) ; v1@77.37,7.729 v1(77.43,7.668)
CM_USB_D_N: J12.2 J13.3 | length 31.1
  Top Copper w0.135: v1(94.049,31.095) 94.049,31.021 93.925,30.898 93.925,30.662 94.668,29.918 107.751,29.918 108.494,29.175 110.15,29.175 110.785,28.54 110.785,25.092 110.384,24.691 110.067,24.691 109.873,24.497 J12.2@109.398,24.497
  Bottom Copper w0.135: J13.3@93.431,37.928 93.431,37.678 93.362,37.609 93.362,36.91 92.532,36.08 92.532,33 93.678,31.854 93.925,31.607 93.925,31.293 94.049,31.169 v1(94.049,31.095)
CM_USB_D_P: J12.3 J13.5 | length 31.1
  Top Copper w0.135: v1(93.541,31.095) 93.541,31.021 93.664,30.898 93.664,30.554 94.56,29.657 107.25,29.657 107.643,29.657 107.719,29.581 cw(c107.599,29.461) 107.719,29.341 107.702,29.324 ccw(c107.822,29.204) 107.702,29.084 ccw(c107.822,29.204) 107.942,29.084 107.958,29.101 cw(c108.078,28.981) 108.198,29.101 108.258,29.041 108.306,28.993 108.386,28.913 110.042,28.913 110.523,28.431 110.523,25.201 110.276,24.953 110.067,24.953 109.873,25.147 J12.3@109.398,25.147
  Bottom Copper w0.135: J13.5@93.031,37.928 93.031,37.678 93.101,37.609 93.101,37.018 92.271,36.188 92.271,32.892 93.57,31.593 93.664,31.499 93.664,31.293 93.541,31.169 v1(93.541,31.095)
COM_AUX_IO2: J1.42 R37.1 TP10.1 | length 69
  Top Copper w0.102: v1(3.3,19.7) 3.3,23.1 5.919,25.719 26.119,25.719 28.1,27.7 28.1,34.8 29.815,36.515 39.715,36.515 TP10.1@40.5,37.3 R37.1@40.5,39
  Bottom Copper w0.102: v1(3.3,19.7) 3.3,18.389 6.568,15.121 6.568,14.816 13.621,7.763 13.621,7.407 J1.42@13.66,7.368
COMP1: R94.2 U10.23 | length 1.4
  Bottom Copper w0.102: U10.23@67.797,28.679 67.797,29.189 68.114,29.506 R94.2@68.114,29.94
COMP2: R93.2 U10.7 | length 1.9
  Bottom Copper w0.127: U10.7@65.297,23.879 65.297,23.423 65.257,23.383 65.257,23.077 65.587,22.747 65.853,22.747 66.065,22.536 R93.2@66.065,22.486
COMP3: R92.2 U10.18 | length 1.4
  Bottom Copper w0.102: R92.2@65.15,29.979 65.15,29.465 65.329,29.286 65.329,28.711 U10.18@65.297,28.679
CT1: D7.2 J4.11 | length 21.2
  Top Copper w0.7: v1(38.2,7.5) 38.38,7.68 D7.2@38.38,8.49
  Bottom Copper w0.5: 52.841,9.374 52.959,9.374 cw(c54.73,8.239) 53.648,10.043 54.048,10.443
  Bottom Copper w0.7: v1(38.2,7.5) 40.508,7.5 41.983,6.025 49.492,6.025 52.841,9.374 ; 54.167,10.443 54.577,10.853 54.577,11.916 J4.11@54.73,12.069
CT2: D7.3 J4.12 | length 18.9
  Top Copper w0.7: v1(38.2,4.9) 38.2,5.81 D7.3@38.38,5.99
  Signal Layer 1 w0.7: v1(38.2,4.9) 39.325,6.025 49.485,6.025 50.775,7.315 50.775,9.474 52.099,10.799 J4.12@52.19,10.799
DSI1_CLK_N: J13.87
DSI1_CLK_P: J13.89
DSI1_D0_N: J13.75
DSI1_D0_P: J13.77
DSI1_D1_N: J13.81
DSI1_D1_P: J13.83
ENV_SCL: R84.2 U12.15 | length 2.3
  Top Copper w0.102: R84.2@16.325,6.125 16.343,6.143 16.343,6.443 17.428,7.528 U12.15@17.883,7.528
ENV_SDA: R96.2 U12.16 | length 2.4
  Top Copper w0.102: R96.2@17.225,6.125 17.225,6.525 17.8,7.1 18.492,7.1 18.695,7.303 U12.16@18.695,7.466
EROUT: R12.1 R43.2 U16.3 U18.4 | length 9.1
  Top Copper w0.254: R43.2@41.844,25.744 42.583,25.744 ; U16.3@42.585,27.129 42.585,26.679 42.965,26.3 42.965,25.981 R12.1@43.201,25.744 ; 42.605,25.744 R12.1@43.241,25.744 ; R12.1@43.288,25.632 43.288,25.582 44.129,24.741 44.457,24.741 44.975,24.223 44.975,22.363 43.698,21.087 U18.4@43.698,20.957
ETH_LEDG: J9.15 R3.1 | length 40.7
  Top Copper w0.25: R3.1@54.043,2.134 54.043,2.124 54.193,1.974 54.514,1.974 v1(54.819,1.669)
  Bottom Copper w0.2: v1(54.819,1.669) 54.854,1.634 56.047,0.441 90.091,0.441 90.945,1.295 90.945,2.97 91.031,3.056 J9.15@91.031,4.009
ETH_LEDY: J9.17 R1.1 | length 49.8
  Top Copper w0.102: R1.1@44.264,2.083 R1.1@44.34,2.159
  Top Copper w0.25: R1.1@44.34,2.159 v1(50.851,2.159)
  Bottom Copper w0.2: v1(50.851,2.159) 54.998,2.159 56.357,0.8 90,0.8 90.626,1.426 90.626,3.695 90.631,3.7 J9.17@90.631,4.004
ETH_LEDY2: J9.19 R5.1 | length 34.9
  Bottom Copper w0.2: R5.1@59.685,3.195 59.769,3.111 60.143,3.111 60.453,2.8 60.453,1.426 60.777,1.102 89.867,1.102 90.231,1.466 J9.19@90.231,4.009
FB1: R67.1 R68.2 U10.22 | length 4.7
  Bottom Copper w0.102: U10.22@67.297,28.679 67.297,29.095 67.523,29.321 67.523,29.533 67.541,29.552 67.541,30.183 67.857,30.498 68.595,30.498 68.89,30.203 68.89,30.153 69.114,29.929 R68.2@69.164,29.929 69.182,29.947 R67.1@70.214,29.947
FB2: R88.1 R89.2 U10.6 | length 2.4
  Top Copper w0.127: R89.2@65.05,22.578 65.05,23.376 65.15,23.476 R88.1@65.162,23.476 ; R88.1@65.05,23.637 65.05,23.587 R88.1@65.162,23.476 ; v1(65.625,23.23) 65.549,23.23 65.403,23.376 65.262,23.376 R88.1@65.162,23.476
  Bottom Copper w0.127: v1(65.625,23.23) 65.625,23.262 65.797,23.434 U10.6@65.797,23.879
FB3: R90.1 R95.2 U10.19 | length 3.9
  Top Copper w0.102: R90.1@62.995,29.489 62.995,29.439 63.563,28.872 R95.2@64.033,28.872 64.083,28.872 64.511,29.299 65.776,29.299 v1(65.789,29.286)
  Bottom Copper w0.102: v1(65.789,29.286) 65.793,29.282 65.793,28.683 U10.19@65.797,28.679
FSIN1: J7.8 R81.2 | length 76.8
  Top Copper w0.127: R81.2@45.4,39.2 46.4,40.2 v1(46.4,41) ; J7.8@103.72,18.916 103.7,18.935 103.7,20.3 v1(104.075,20.675)
  Signal Layer 1 w0.102: 103.7,26.209 103.7,21.05 v1(104.075,20.675)
  Signal Layer 1 w0.127: v1(46.4,41) 48.098,42.698 64.677,42.698 67.025,40.35 67.025,36.722 70.523,33.224 96.685,33.224 103.7,26.209
FSIN2: J8.8 R83.2 | length 53.6
  Top Copper w0.102: v1(13.488,18.379) 13.488,18.458 13.62,18.59 13.62,18.817 J8.8@13.72,18.916 ; v1(16.6,29.1) 16.6,27.5 18.177,25.923 25.923,25.923 27.779,27.779 27.779,34.924 29.642,36.787 38.087,36.787 39,37.7 39,39 39.8,39.8 43.2,39.8 43.7,39.3 R83.2@43.7,39
  Bottom Copper w0.102: v1(13.488,18.379) 14.978,19.868 15.568,19.868 16.627,20.927 16.627,29.073 v1(16.6,29.1)
FSIN3: J5.8 R125.2 | length 35.3
  Top Copper w0.102: J5.8@26.72,18.916 26.72,19.42 27.4,20.1 29.569,20.1 30,20.531 30,26 28.4,27.6 28.4,34.7 30.012,36.312 40.712,36.312 42.1,37.7 R125.2@42.1,39
GLOBAL_EN: J9.99 J26.3 | length 20.7
  Bottom Copper w0.102: J26.3@59.1,5.155 61.18,3.075 63.648,3.075 66.185,5.612 68.013,5.612 68.225,5.4 69.268,4.357 70.178,4.357 70.569,4.748 70.569,6.282 70.838,6.551 72.214,6.551 74.231,4.534 J9.99@74.231,4.009